# Altium PCB RPI Main Computer.PcbDoc (part 2 of 2)
Units mm, origin at the board's own origin, x right, y up, seen from the top; angles counter-clockwise.
Board outline 129 x 105 mm, 4 copper layers (F.Cu, In1.Cu, In2.Cu, B.Cu); 126 components, 153 nets, 663 pads, 209 vias.
Unrouted connection lines stored in the file: 267.
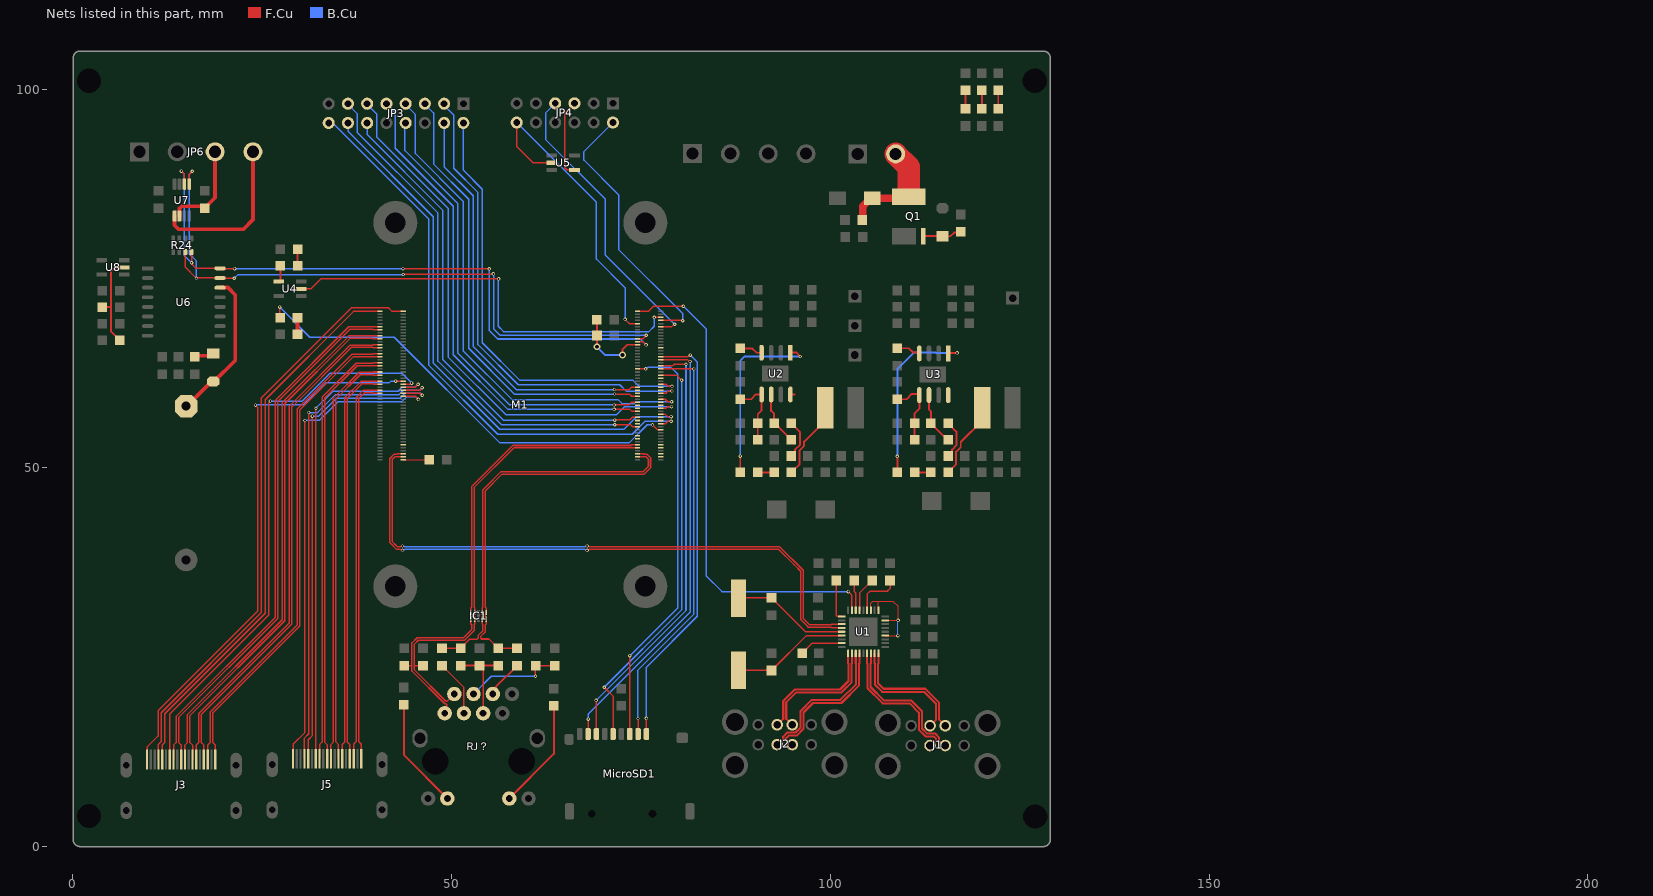
[diagram p4: the nets of this part, all layers, seen from the top]

## Via types
v1: diameter 0.45, hole 0.25, F.Cu to B.Cu, tented both sides, 147 vias
v2: diameter 0.45, hole 0.3, F.Cu to B.Cu, tented both sides, 52 vias
v3: diameter 0.9, hole 0.5, F.Cu to B.Cu, tented both sides, 10 vias

## Nets (pads, with @x,y where several pads share a name; then routed paths per layer and width w, separated by ;. In a path a pad name is that pad's centre, name@x,y a point inside that pad or via, vN(x,y) a via of type N, cw(c..) or ccw(c..) an arc to the next point about the centre after c; other vN are vias at no path point) (continued)
GPIO5: JP3.9 M1.34 | length 64.1
  F.Cu w0.2: v1(71.468,57.714) v1(71.468,57.714) 73.554,57.713 73.815,57.452 M1.34@74.56,57.452
  B.Cu w0.2: JP3.9@41.438,98.007 42.574,96.871 42.574,92.183 50.24,84.517 50.24,64.932 57.458,57.714 v1(71.468,57.714)
GPIO6: JP3.12 M1.30 | length 64.5
  F.Cu w0.2: v1(71.557,56.295) 71.58,56.318 73.539,56.318 73.872,56.652 M1.30@74.56,56.652
  B.Cu w0.2: JP3.12@38.872,95.524 38.872,93.982 48.821,84.033 48.821,64.344 56.87,56.295 v1(71.557,56.295)
GPIO7: M1.37
GPIO8: M1.39
GPIO9: JP3.8 M1.40 | length 60
  F.Cu w0.2: v1(71.469,58.299) 73.426,58.299 73.779,58.652 M1.40@74.56,58.652
  B.Cu w0.2: JP3.8@43.856,95.567 43.856,91.872 50.825,84.903 50.825,65.174 57.7,58.299 v1(71.469,58.299)
GPIO10: JP3.5 M1.44 | length 59.5
  F.Cu w0.2: v1(71.517,59.747) 71.518,59.746 73.505,59.746 73.799,59.452 M1.44@74.56,59.452
  B.Cu w0.2: JP3.5@46.482,98.007 47.642,96.847 47.642,90.093 52.273,85.462 52.273,65.774 58.3,59.747 v1(71.517,59.747)
GPIO11: M1.38
GPIO12: JP3.14 M1.31 | length 73.6
  F.Cu w0.2: M1.31@77.64,57.052 78.246,57.052 78.527,56.771 v1(78.999,56.771)
  B.Cu w0.2: JP3.14@36.395,95.61 36.395,94.373 47.61,83.158 47.61,63.843 56.369,55.084 72.776,55.084 74.463,56.771 v1(78.999,56.771)
GPIO13: M1.28
GPIO14: M1.55
GPIO15: JP3.2 M1.51 | length 59
  F.Cu w0.2: M1.51@77.64,61.052 78.32,61.052 78.61,60.762 v1(79.107,60.762)
  B.Cu w0.2: JP3.2@51.572,95.524 51.572,89.273 54.071,86.774 54.071,66.519 59.045,61.545 73.97,61.545 74.753,60.762 v1(79.107,60.762)
GPIO16: M1.29
GPIO17: JP3.4 M1.50 | length 55.3
  F.Cu w0.2: v1(71.503,60.337) 71.53,60.31 73.423,60.31 73.765,60.652 M1.50@74.56,60.652
  B.Cu w0.2: JP3.4@49.032,95.524 49.032,89.754 52.863,85.923 52.863,66.018 58.544,60.337 v1(71.503,60.337)
GPIO18: M1.49
GPIO19: M1.26
GPIO20: M1.27
GPIO21: JP3.16 M1.25 | length 75.7
  F.Cu w0.2: M1.25@77.64,55.852 78.29,55.852 78.592,56.153 v1(78.993,56.153)
  B.Cu w0.2: JP3.16@33.792,95.524 34.06,95.256 34.603,95.256 46.976,82.883 46.976,63.58 56.106,54.45 73.856,54.45 75.559,56.153 v1(78.993,56.153)
GPIO22: M1.46
GPIO23: M1.47
GPIO24: JP3.3 M1.45 | length 63.5
  F.Cu w0.2: M1.45@77.64,59.852 78.304,59.852 78.595,60.143 v1(79.086,60.143)
  B.Cu w0.2: JP3.3@48.764,98.1 50.301,96.563 50.301,89.534 53.498,86.337 53.498,66.282 58.808,60.972 72.213,60.972 73.042,60.143 v1(79.086,60.143)
GPIO25: JP3.7 M1.41 | length 67.6
  F.Cu w0.2: M1.41@77.64,59.052 78.224,59.052 78.555,58.721 v1(79.055,58.721)
  B.Cu w0.2: JP3.7@44.001,97.902 45.25,96.653 45.25,91.475 51.536,85.189 51.536,65.469 57.995,59.01 71.964,59.01 72.492,58.482 74.096,58.482 74.335,58.721 v1(79.055,58.721)
GPIO26: JP3.13 M1.24 | length 68.9
  F.Cu w0.2: v1(71.557,55.69) 71.576,55.709 73.614,55.709 73.871,55.452 M1.24@74.56,55.452
  B.Cu w0.2: JP3.13@36.228,98.09 37.55,96.768 37.55,94.29 48.216,83.624 48.216,64.094 56.62,55.69 v1(71.557,55.69)
GPIO27: M1.48
GPIO_VREF: M1.78 R11.1 R12.1 | length 10.7
  F.Cu w0.254: R12.1@69.186,69.537 69.209,69.514 R11.1@69.209,67.468 ; v3(69.2,65.979) 69.2,67.464 R11.1@69.204,67.468 ; v3(72.567,64.882) 72.567,65.587 73.232,66.252 M1.78@74.56,66.252 M1.78@74.879,66.252
  B.Cu w0.254: v3(69.2,65.979) 70.297,64.882 v3(72.567,64.882)
HDMI0_CEC: J3.13 M1.151 | length 74.7
  F.Cu w0.2: J3.13@12.821,11.509 12.821,17.493 25.889,30.561 25.889,58.548 26.094,58.753 v1(26.094,58.821) ; M1.151@43.64,61.052 44.537,61.052 44.678,61.193 v1(44.746,61.193)
  B.Cu w0.2: v1(26.094,58.821) 30.293,58.821 33.956,62.484 43.455,62.484 v1(44.746,61.193)
HDMI0_CK_N: J3.12 M1.190 | length 70.7
  F.Cu w0.2: J3.12@13.321,11.509 13.321,13.402 13.658,13.739 13.658,17.181 26.74,30.263 26.74,58.898 36.457,68.615 39.581,68.615 ; 39.666,68.652 M1.190@40.56,68.652
HDMI0_CK_P: J3.10 M1.188 | length 70.2
  F.Cu w0.2: J3.10@14.321,11.509 14.321,13.402 13.985,13.739 13.985,17.046 27.067,30.128 27.067,58.763 36.592,68.288 39.581,68.288 ; 39.666,68.252 M1.188@40.56,68.252
HDMI0_D0_N: J3.9 M1.184 | length 69
  F.Cu w0.2: J3.9@14.821,11.509 14.821,13.402 15.157,13.739 15.157,17.436 27.668,29.946 27.668,58.608 36.475,67.415 39.629,67.415 39.666,67.452 M1.184@40.56,67.452
HDMI0_D0_P: J3.7 M1.182 | length 68.4
  F.Cu w0.2: J3.7@15.821,11.509 15.821,13.402 15.484,13.739 15.484,17.301 27.995,29.811 27.995,58.473 36.61,67.088 39.629,67.088 39.666,67.052 M1.182@40.56,67.052
HDMI0_D1_N: J3.6 M1.178 | length 67.1
  F.Cu w0.2: J3.6@16.321,11.509 16.321,13.402 16.658,13.739 16.658,17.592 28.614,29.548 28.614,58.179 36.65,66.215 39.629,66.215 39.666,66.252 M1.178@40.56,66.252
HDMI0_D1_P: J3.4 M1.176 | length 66.5
  F.Cu w0.2: J3.4@17.321,11.509 17.321,13.402 16.985,13.739 16.985,17.457 28.941,29.413 28.941,58.044 36.785,65.888 39.629,65.888 39.666,65.852 M1.176@40.56,65.852
HDMI0_D2_N: J3.3 M1.172 | length 65.1
  F.Cu w0.2: J3.3@17.821,11.509 17.821,13.402 18.158,13.739 18.158,17.772 29.658,29.272 29.658,57.755 36.918,65.015 39.629,65.015 39.666,65.052 M1.172@40.56,65.052
HDMI0_D2_P: J3.1 M1.170 | length 64.5
  F.Cu w0.2: J3.1@18.821,11.509 18.821,13.402 18.485,13.739 18.485,17.636 29.985,29.137 29.985,57.62 37.053,64.688 39.629,64.688 39.666,64.652 M1.170@40.56,64.652
HDMI0_HOTPLUG: J3.19 M1.153 | length 73.7
  F.Cu w0.2: J3.19@9.821,11.509 9.821,13.152 11.269,14.6 11.269,17.935 24.41,31.076 24.41,57.971 24.132,58.249 v1(24.132,58.276) ; v1@42.528,61.453 42.529,61.452 M1.153@43.64,61.452
  B.Cu w0.2: v1(24.132,58.276) 24.178,58.322 30.495,58.322 33.422,61.249 41.812,61.249 42.016,61.453 v1@42.528,61.453
  other v1: 42.642,61.453
HDMI0_SCL: J3.15 M1.200 | length 73.1
  F.Cu w0.2: J3.15@11.821,11.509 11.821,13.415 12.163,13.757 12.163,17.55 25.409,30.796 25.409,58.997 37.064,70.652 M1.200@40.56,70.652
HDMI0_SDA: J3.16 M1.199 | length 77.2
  F.Cu w0.2: J3.16@11.321,11.509 11.321,13.516 11.682,13.877 11.682,17.689 24.898,30.905 24.898,59.214 36.843,71.159 41.647,71.159 42.154,70.652 M1.199@43.64,70.652
HDMI1_CEC: J5.13 M1.149 | length 63.2
  F.Cu w0.2: J5.13@32.089,11.586 32.105,11.602 32.105,57.848 v1(32.12,57.864) ; M1.149@43.64,60.652 45.212,60.652 v1(45.596,61.036)
  B.Cu w0.2: v1(32.12,57.864) 32.12,57.889 34.356,60.125 42.968,60.125 43.51,60.667 45.227,60.667 v1(45.596,61.036)
HDMI1_CK_N: J5.12 M1.166 | length 57.4
  F.Cu w0.2: J5.12@32.589,11.586 32.589,13.479 32.925,13.816 32.925,59.311 37.43,63.815 39.629,63.815 39.666,63.852 M1.166@40.56,63.852
HDMI1_CK_P: J5.10 M1.164 | length 56.8
  F.Cu w0.2: J5.10@33.589,11.586 33.589,13.469 33.252,13.805 33.252,59.175 37.565,63.488 39.629,63.488 39.666,63.452 M1.164@40.56,63.452
HDMI1_D0_N: J5.9 M1.160 | length 55.3
  F.Cu w0.2: J5.9@34.089,11.586 34.089,13.471 34.425,13.808 34.425,59.206 37.835,62.615 39.629,62.615 39.666,62.652 M1.160@40.56,62.652
HDMI1_D0_P: J5.7 M1.158 | length 54.8
  F.Cu w0.2: J5.7@35.089,11.586 35.089,13.486 34.752,13.822 34.752,59.07 37.97,62.288 39.629,62.288 39.666,62.252 M1.158@40.56,62.252
HDMI1_D1_N: J5.6 M1.154 | length 53.4
  F.Cu w0.2: J5.6@35.589,11.586 35.589,13.484 35.926,13.82 35.926,59.287 36.021,59.383 38.054,61.415 39.629,61.415 39.666,61.452 M1.154@40.56,61.452
HDMI1_D1_P: J5.4 M1.152 | length 52.8
  F.Cu w0.2: J5.4@36.589,11.586 36.589,13.494 36.253,13.83 36.253,59.152 38.189,61.088 39.629,61.088 39.666,61.052 M1.152@40.56,61.052
HDMI1_D2_N: J5.3 M1.148 | length 51.4
  F.Cu w0.2: J5.3@37.089,11.586 37.089,13.546 37.425,13.883 37.425,59.3 38.341,60.215 39.629,60.215 39.666,60.252 M1.148@40.56,60.252
HDMI1_D2_P: J5.1 M1.146 | length 50.8
  F.Cu w0.2: J5.1@38.089,11.586 38.089,13.533 37.752,13.87 37.752,59.164 38.476,59.888 39.629,59.888 39.666,59.852 M1.146@40.56,59.852
HDMI1_HOTPLUG: J5.19 M1.143 | length 63.9
  F.Cu w0.2: J5.19@29.089,11.586 29.089,13.51 30.659,15.08 v1(30.659,56.248) ; M1.143@43.64,59.452 45.227,59.452 v1(45.639,59.04)
  B.Cu w0.2: v1(30.659,56.248) 30.701,56.29 32.595,56.29 35.047,58.742 43.454,58.742 44.125,59.413 45.266,59.413 v1(45.639,59.04)
HDMI1_SCL: J5.15 M1.145 | length 64
  F.Cu w0.2: J5.15@31.089,11.586 31.096,11.593 31.096,14.116 31.64,14.66 31.64,56.819 v1(31.638,56.821) ; M1.145@43.64,59.852 45.816,59.852 46.087,59.58 v1(46.155,59.58)
  B.Cu w0.2: v1(31.638,56.821) 32.441,56.821 34.813,59.193 43.233,59.193 43.881,59.841 45.894,59.841 v1(46.155,59.58)
HDMI1_SDA: J5.16 M1.147 | length 64.9
  F.Cu w0.2: J5.16@30.589,11.586 30.585,11.59 30.585,14.338 31.155,14.908 v1(31.155,57.302) ; M1.147@43.64,60.252 45.818,60.252 v1(46.137,60.571)
  B.Cu w0.2: v1(31.155,57.302) 32.322,57.302 34.7,59.68 43.09,59.68 43.644,60.234 45.8,60.234 v1(46.137,60.571)
ID_SC: JP3.11 M1.35 | length 72.6
  F.Cu w0.2: M1.35@77.64,57.852 78.32,57.852 78.56,58.092 v1(79.049,58.092)
  B.Cu w0.2: JP3.11@38.729,98.132 40.138,96.723 40.138,93.688 49.558,84.268 49.558,64.649 57.176,57.032 71.814,57.032 72.874,58.092 v1(79.049,58.092)
ID_SD: M1.36
NetBattery1_1: Battery1.1 D1.2 U6.14 | length 20
  F.Cu w0.5: Battery1.1@14.986,58.149 15.08,58.149 18.322,61.391 D1.2@18.542,61.391 18.667,61.391 21.457,64.181 21.457,72.833 20.503,73.787 U6.14@19.456,73.787
NetC1_1: C1.1 JP1.2 Q1.5-8 RU1.2 | length 13.8
  F.Cu w1: C1.1@104.267,82.677 104.267,84.539 RU1.2@105.419,85.692 ; RU1.2@105.551,85.598 110.27,85.598 Q1.5-8@110.363,85.691
  F.Cu w3: JP1.2@108.627,91.44 110.345,89.722 Q1.5-8@110.345,86.683
NetC11_1: C11.1 U1.32 X1.2 | length 15.5
  F.Cu w0.2: X1.2@87.885,32.788 87.948,32.851 C11.1@92.244,32.851 96.727,28.368 U1.32@101.491,28.368
NetC12_1: C12.1 U1.33 X1.1 | length 15.2
  F.Cu w0.2: X1.1@88.375,23.311 88.43,23.256 C12.1@92.476,23.256 ; C12.1@92.476,23.263 92.476,23.484 96.86,27.868 U1.33@101.491,27.868
NetC13_1: C13.1 U2.1 | length 24.4
  F.Cu w0.254: v1(88.122,51.545) 88.122,49.419 C13.1@88.138,49.403 ; U2.1@94.742,65.19 94.799,65.247 95.478,65.247 v1(96.032,64.693)
  B.Cu w0.254: v1(88.122,51.545) 88.122,64.167 88.648,64.693 v1(96.032,64.693)
NetC13_2: C13.2 R8.2 | length 2.2
  F.Cu w0.254: C13.2@90.424,49.403 R8.2@92.583,49.403
NetC19_2: C19.2 R10.1 R14.2 U2.5 | length 9.2
  F.Cu w0.254: R14.2@88.138,59.055 89.538,59.055 90.173,59.69 U2.5@90.932,59.69 90.932,57.594 90.424,57.086 C19.2@90.424,55.88 R10.1@90.424,53.721
NetC26_1: C26.1 U2.4 | length 3
  F.Cu w0.254: C26.1@88.138,65.786 88.179,65.745 89.715,65.745 90.27,65.19 U2.4@90.932,65.19
NetC27_1: C27.1 R13.2 U2.6 | length 7.2
  F.Cu w0.254: U2.6@92.202,59.69 92.202,57.517 92.594,57.125 92.594,55.891 R13.2@92.583,55.88 93.091,55.372 93.218,55.372 C27.1@94.869,53.721
NetC28_1: C28.1 R13.1 | length 5.3
  F.Cu w0.254: C28.1@94.869,51.562 95.343,52.036 95.343,52.39 96.031,53.078 96.031,54.718 R13.1@94.869,55.88
NetC31_1: C31.1 U3.1 | length 23.7
  F.Cu w0.254: C31.1@108.839,49.403 108.846,49.41 v1(108.846,51.508) ; U3.1@115.57,65.107 115.644,65.181 v1(116.733,65.181)
  B.Cu w0.254: v1(108.846,51.508) 108.846,63.02 111.078,65.252 113.857,65.252 113.928,65.181 v1(116.733,65.181)
NetC31_2: C31.2 R16.2 | length 2.4
  F.Cu w0.254: C31.2@110.889,49.403 R16.2@113.284,49.403
NetC37_2: C37.2 R19.1 R23.2 U3.5 | length 9.4
  F.Cu w0.254: R23.2@108.839,59.055 110.082,59.055 110.785,59.758 111.609,59.758 U3.5@111.76,59.607 111.76,57.829 111.125,57.194 C37.2@111.125,55.88 R19.1@111.125,53.721
NetC44_1: C44.1 U3.4 | length 3.2
  F.Cu w0.254: C44.1@108.839,65.786 110.362,65.786 110.922,65.226 111.641,65.226 U3.4@111.76,65.107
NetC45_1: C45.1 R22.2 U3.6 | length 7
  F.Cu w0.254: U3.6@113.03,59.607 113.006,59.583 113.006,57.742 113.284,57.464 R22.2@113.284,55.88 114.935,54.229 115.062,54.229 C45.1@115.57,53.721
NetC46_1: C46.1 R22.1 | length 5.2
  F.Cu w0.254: C46.1@115.57,51.562 116.078,52.07 116.078,52.422 116.66,53.004 116.66,54.79 R22.1@115.57,55.88
NetC51_1: C51.1 R28.2 U8.2 | length 12.7
  F.Cu w0.254: C51.1@3.908,71.204 5.051,71.204 ; R28.2@6.218,66.852 5.051,68.019 5.051,71.204 ; U8.2@6.834,76.454 5.651,76.454 5.051,75.854 5.051,71.204
NetD1_1: D1.1 R25.2 | length 2.6
  F.Cu w0.5: R25.2@16.129,64.643 16.285,64.799 18.24,64.799 D1.1@18.542,65.101
NetH1_P: 
NetJP4_5: JP4.5 U5.4 | length 10.3
  F.Cu w0.2: U5.4@66.159,89.334 65.226,89.334 64.961,89.599 64.961,96.845 JP4.5@66.231,98.115
NetJP6_3: JP6.3 R26.1 U7.6 | length 12.5
  F.Cu w0.5: U7.6@14.104,83.252 14.104,84.238 14.397,84.531 17.182,84.531 R26.1@17.431,84.282 18.799,85.65 JP6.3@18.799,91.717
NetJP6_4: JP6.4 U7.5 | length 21.3
  F.Cu w0.5: U7.5@13.449,83.247 13.449,82.017 13.961,81.505 22.539,81.505 23.799,82.765 JP6.4@23.799,91.717
NetL1_1: L1.1 R8.1 U2.8 | length 9
  F.Cu w0.254: U2.8@94.742,59.69 95.31,59.69 ; R8.1@94.869,49.403 95.957,50.491 95.957,52.314 96.549,52.906 96.549,53.465 L1.1@99.124,56.04
NetL2_1: L2.1 R16.1 U3.8 | length 10.4
  F.Cu w0.254: R16.1@115.57,49.403 116.622,50.455 116.622,52.151 117.223,52.752 117.223,53.413 120.047,56.237 L2.1@120.047,57.912
NetLED2_2: LED2.2 R3.1 | length 2.4
  F.Cu w0.254: R3.1@117.856,97.409 LED2.2@117.856,99.822
NetLED7_2: BOOT.2 R6.1 | length 2.1
  F.Cu w0.5: BOOT.2@29.677,67.708 R6.1@29.677,69.797
NetLED8_2: LED8.2 R9.1 | length 2.4
  F.Cu w0.254: R9.1@120.015,97.409 LED8.2@120.015,99.822
NetLED9_2: LED9.2 R17.1 | length 2.4
  F.Cu w0.254: R17.1@122.174,97.409 LED9.2@122.174,99.822
NetLED10_2: PWR.2 R18.1 | length 2.1
  F.Cu w0.254: R18.1@29.694,76.677 PWR.2@29.694,78.762
NetM1_21: M1.21 R6.2 | length 60.4
  F.Cu w0.2: v1(27.331,71.22) 27.331,69.878 R6.2@27.391,69.818 ; v1(76.538,55.678) 77.164,55.052 M1.21@77.64,55.052
  B.Cu w0.2: v1(27.331,71.22) 31.302,67.249 42.442,67.249 56.405,53.286 73.44,53.286 75.832,55.678 v1(76.538,55.678)
NetQ1_4: Q1.4 R4.2 Z1.1 | length 5.2
  F.Cu w0.254: Q1.4@112.268,80.585 114.791,80.585 Z1.1@114.808,80.568 115.863,80.568 116.354,81.059 117.127,81.059 R4.2@117.221,81.153
NetR2_2: R2.2 U1.24 | length 4.6
  F.Cu w0.2: U1.24@103.861,31.238 103.861,33.469 R2.2@105.522,35.129
NetR5_2: R5.2 U1.22 | length 6.5
  F.Cu w0.2: U1.22@104.861,31.238 104.861,33.355 105.225,33.719 107.527,33.719 107.885,34.077 R5.2@107.885,35.129
NetR7_2: R7.2 U1.35 | length 5.7
  F.Cu w0.2: R7.2@96.301,25.544 97.625,26.868 U1.35@101.491,26.868
NetR18_2: R18.2 U4.4 | length 2.2
  F.Cu w0.254: U4.4@27.252,74.577 27.258,74.577 27.408,74.727 R18.2@27.408,76.677
NetR20_2: R20.2 U1.28 | length 5.4
  F.Cu w0.2: R20.2@100.795,35.129 100.795,30.52 100.912,30.403 101.456,30.403 U1.28@101.491,30.368
NetR21_2: R21.2 U1.25 | length 4
  F.Cu w0.2: R21.2@103.158,35.129 103.158,33.68 103.373,33.465 103.373,31.25 U1.25@103.361,31.238
NetR30_1: R30.1 RJ？.10 | length 14.7
  F.Cu w0.254: R30.1@43.716,18.717 43.716,12.105 RJ？.10@49.463,6.358
NetR31_1: R31.1 RJ？.11 | length 14.7
  F.Cu w0.254: RJ？.11@57.633,6.358 63.517,12.242 R31.1@63.517,18.58
nEXTRST: M1.100 U1.26 | length 65.4
  F.Cu w0.2: M1.100@74.56,70.652 75.982,70.652 76.658,71.328 v1(80.614,71.328) ; v1(102.387,33.669) 102.861,33.195 U1.26@102.861,31.238
  B.Cu w0.2: v1(80.614,71.328) 83.628,68.314 83.628,35.739 85.698,33.669 v1(102.387,33.669)
nOCSS1: U1.13 U1.17 U1.19 U1.21 | length 13.3
  F.Cu w0.127: U1.21@105.361,31.238 105.361,32.12 105.626,32.385 106.45,32.385 ; U1.19@106.361,31.238 106.361,32.296 106.45,32.385 ; U1.13@107.231,27.868 107.241,27.858 108.915,27.858 v1(108.925,27.848) ; U1.17@107.231,29.868 108.946,29.868 v1(108.948,29.866) 108.948,31.714 108.277,32.385 106.45,32.385
  B.Cu w0.127: v1(108.925,27.848) 108.936,27.859 108.936,29.854 v1(108.948,29.866)
nPWR_LED: M1.95 U4.2 | length 56.1
  F.Cu w0.2: U4.2@30.178,73.629 31.456,73.629 32.774,74.947 v1(56.22,74.947) ; v1(76.76,69.865) 76.773,69.852 M1.95@77.64,69.852
  B.Cu w0.2: v1(56.22,74.947) 56.174,74.901 56.174,68.687 56.868,67.993 76.06,67.993 76.76,68.693 v1(76.76,69.865)
nRPIBOOT: JP4.2 M1.93 | length 36
  F.Cu w0.2: M1.93@77.64,69.452 80.494,69.452 v1(80.528,69.418)
  B.Cu w0.2: JP4.2@71.311,95.575 67.488,91.752 67.488,90.626 72.057,86.057 72.057,78.838 80.528,70.367 v1(80.528,69.418)
RCT: C52.1 R29.1 R35.2 RJ？.5 | length 11.4
  F.Cu w0.2: C52.1@53.7,23.904 54.183,23.421 RJ？.5@54.183,17.608
  F.Cu w0.254: R29.1@51.208,23.904 C52.1@53.7,23.904 R35.2@56.159,23.904
RUN_PG: JP4.12 M1.92 U5.2 | length 42.7
  F.Cu w0.2: JP4.12@58.611,95.575 58.611,92.423 60.758,90.276 U5.2@63.522,90.276 ; v1(72.923,69.598) 73.469,69.052 M1.92@74.56,69.052
  B.Cu w0.2: JP4.12@58.611,95.575 69.137,85.049 69.137,77.561 72.923,73.775 72.923,70.416 72.921,70.414 72.921,70.046 72.923,70.044 v1(72.923,69.598)
RXNNET: C53.2 RJ？.6 | length 5.1
  F.Cu w0.254: RJ？.6@55.453,20.148 55.453,20.595 55.865,21.006 55.865,21.114 C53.2@58.655,23.904
RXPNET: C30.2 RJ？.3 | length 7.5
  F.Cu w0.2: C30.2@48.746,23.904 51.643,21.007 RJ？.3@51.643,17.608
SCL0: M1.80 R24.4 U6.16 U7.2 | length 86.4
  F.Cu w0.2: v1(14.355,89.159) 14.749,88.765 U7.2@14.749,87.457 ; R24.4@15.519,78.459 15.71,78.268 v1@15.71,77.069 ; v1@15.71,76.902 16.285,76.327 U6.16@19.456,76.327 19.475,76.308 v1(21.378,76.308) ; v1(43.601,76.289) 43.617,76.272 54.967,76.272 v1(54.984,76.256) ; M1.80@74.56,66.652 75.275,66.652 v1(75.688,66.239)
  B.Cu w0.2: v1(14.355,89.159) 14.737,88.777 14.737,78.029 v1(15.697,77.069) ; v1(21.378,76.308) 21.388,76.298 43.592,76.298 v1(43.601,76.289) ; v1(54.984,76.256) 54.984,68.123 56.099,67.008 74.919,67.008 v1(75.688,66.239)
SD_CLK: M1.57 MicroSD1.5 | length 54.5
  F.Cu w0.2: v1(70.163,21.047) 71.339,19.871 71.339,14.876 MicroSD1.5@71.334,14.871 ; M1.57@77.64,62.252 79.686,62.252 v1(80.381,61.557)
  B.Cu w0.2: v1(70.163,21.047) 80.413,31.297 80.413,61.525 v1(80.381,61.557)
SD_CMD: M1.62 MicroSD1.3 | length 55.9
  F.Cu w0.2: v1(73.526,25.211) 73.53,25.207 73.53,14.875 MicroSD1.3@73.534,14.871 ; M1.62@74.56,63.052 75.633,63.052 v1(75.641,63.06)
  B.Cu w0.2: v1(73.526,25.211) 73.572,25.211 79.883,31.522 79.883,62.346 78.974,63.255 75.883,63.255 75.688,63.06 v1(75.641,63.06)
SD_DATA0: M1.63 MicroSD1.7 | length 57.2
  F.Cu w0.2: v1(69.085,19.306) 69.109,19.282 69.109,14.895 MicroSD1.7@69.134,14.871 ; M1.63@77.64,63.452 79.174,63.452 79.403,63.681 80.949,63.681 v1(80.956,63.674)
  B.Cu w0.2: v1(69.085,19.306) 80.956,31.177 v1(80.956,63.674)
SD_DATA1: M1.67 MicroSD1.8 | length 58.7
  F.Cu w0.2: MicroSD1.8@68.034,14.871 68.041,14.879 68.041,16.819 v1(68.049,16.827) ; M1.67@77.64,64.252 81.211,64.252 81.426,64.036 v1(81.494,64.036)
  B.Cu w0.2: v1(68.049,16.827) 68.049,17.503 81.494,30.948 v1(81.494,64.036)
SD_DATA2: M1.69 MicroSD1.1 | length 57.2
  F.Cu w0.2: MicroSD1.1@75.734,14.872 v1(75.733,16.935) ; M1.69@77.64,64.652 81.217,64.652 81.453,64.888 v1(81.521,64.888)
  B.Cu w0.2: v1(75.733,16.935) 75.733,23.687 82.451,30.405 82.451,63.958 v1(81.521,64.888)
SD_DATA3: M1.61 MicroSD1.2 | length 55.6
  F.Cu w0.2: v1(74.616,16.915) 74.625,16.906 74.625,14.88 MicroSD1.2@74.634,14.871 ; M1.61@77.64,63.052 79.652,63.052 79.654,63.05 80.6,63.05 80.604,63.054 81.997,63.054 v1(82.006,63.045)
  B.Cu w0.2: v1(74.616,16.915) 74.616,23.317 82.006,30.707 v1(82.006,63.045)
SD_PWR_ON: M1.75
SDA0: M1.82 R24.3 U6.15 U7.1 | length 88.6
  F.Cu w0.2: R24.3@14.878,78.475 14.878,76.467 v1@16.281,75.064 ; U7.1@15.399,87.457 15.399,88.755 v1(15.789,89.145) ; v1@16.342,75.064 U6.15@19.026,75.064 ; U6.15@19.456,75.057 21.299,75.057 v1(21.331,75.025) ; v1(43.633,75.52) 43.672,75.559 55.49,75.559 v1(55.529,75.598) ; M1.82@74.56,67.052 75.267,67.052 v1(75.713,67.498)
  B.Cu w0.2: v1(15.789,89.145) 15.382,88.738 15.382,78.252 16.342,77.292 v1(16.342,75.017) ; v1(21.331,75.025) 21.826,75.52 v1@43.622,75.52 ; v1(55.529,75.598) 55.557,75.57 55.557,68.353 56.412,67.498 v1(75.713,67.498)
SHIELD: 
SYNC_IN: M1.16
SYNC_OUT: M1.18
TCT: C54.1 R34.2 RJ？.4 | length 13.1
  F.Cu w0.2: v1(61.091,22.488) 61.091,23.881 R34.2@61.114,23.904 C54.1@63.609,23.904
  B.Cu w0.2: RJ？.4@52.913,20.148 55.253,22.488 v1(61.091,22.488)
TRD0_N: IC1.2 IC1.9 M1.10 R33.2 RJ？.2 | length 63.5
  F.Cu w0.2: R33.2@46.251,23.904 45.134,23.904 45.114,23.924 ; RJ？.2@50.373,20.148 49.413,19.187 49.247,19.187 45.114,23.32 45.114,23.924 ; M1.10@74.56,52.652 73.752,52.652 73.715,52.688 58.281,52.688 52.988,47.395 52.988,31.602 53.073,31.517 IC1.9@53.073,30.887 53.073,30.649 52.986,30.649 52.986,30.249 53.073,30.249 IC1.2@53.073,30.012 53.073,29.381 52.996,29.304 52.996,28.515 51.724,27.244 45.61,27.244 45.114,26.748 45.114,23.924
TRD0_P: IC1.1 IC1.10 M1.12 R32.1 RJ？.1 | length 64.3
  F.Cu w0.2: R32.1@43.776,23.904 44.767,23.904 44.787,23.924 ; RJ？.1@49.103,17.608 49.393,17.898 49.393,18.743 49.276,18.86 49.112,18.86 44.787,23.185 44.787,23.924 ; M1.12@74.56,53.052 73.752,53.052 73.715,53.015 58.146,53.015 52.897,47.767 52.661,47.53 52.661,31.605 52.573,31.517 IC1.10@52.573,30.887 52.573,30.649 52.659,30.649 52.659,30.249 52.573,30.249 IC1.1@52.573,30.012 52.573,29.381 52.669,29.285 52.669,28.651 51.589,27.571 45.475,27.571 44.787,26.883 44.787,23.924
TRD1_N: C53.1 IC1.5 IC1.6 M1.6 R35.1 | length 51.7
  F.Cu w0.2: C53.1@58.655,26.19 R35.1@56.159,26.19 54.94,27.41 53.964,27.41 53.847,27.527 53.847,27.73 54.487,28.369 54.487,29.295 54.573,29.381 IC1.5@54.573,30.012 54.573,30.249 54.487,30.249 54.487,30.649 54.573,30.649 IC1.6@54.573,30.887 54.573,31.517 54.487,31.603 54.487,46.983 56.682,49.178 75.44,49.178 76.335,50.073 76.335,51.282 76.239,51.378 75.817,51.8 75.42,51.8 75.369,51.852 M1.6@74.56,51.852
TRD1_P: C30.1 IC1.4 IC1.7 M1.4 R29.2 | length 51.1
  F.Cu w0.2: C30.1@48.746,26.19 R29.2@51.208,26.19 52.41,27.393 53.403,27.393 53.52,27.51 53.52,27.865 54.16,28.505 54.16,29.295 54.073,29.381 IC1.4@54.073,30.012 54.073,30.249 54.16,30.249 54.16,30.649 54.073,30.649 IC1.7@54.073,30.887 54.073,31.517 54.16,31.603 54.16,47.118 54.396,47.355 56.547,49.505 75.305,49.505 76.008,50.208 76.008,51.147 75.682,51.473 75.39,51.473 75.369,51.452 M1.4@74.56,51.452
TRD2_N: M1.9
TRD2_P: M1.11
TRD3_N: M1.5
TRD3_P: M1.3
TV_OUT: M1.111
USB1_D_N: J2.2 U1.1 | length 16.8
  F.Cu w0.278: J2.2@92.992,16.088 93.789,16.885 93.789,17.375 93.789,19.236 95.298,20.744 101.278,20.744 102.408,21.875 102.408,24.145 102.361,24.192 U1.1@102.361,25.498
USB1_D_P: J2.3 U1.2 | length 16.8
  F.Cu w0.278: J2.3@94.992,16.088 94.195,16.885 94.195,17.543 94.194,19.068 95.465,20.339 101.446,20.339 101.721,20.615 102.814,21.707 102.814,24.145 102.861,24.192 U1.2@102.861,25.498
USB2_D_N: J2.6 U1.3 | length 19.3
  F.Cu w0.278: J2.6@92.992,13.468 93.146,13.468 93.789,14.111 93.789,14.509 94.344,15.064 95.416,15.064 96.063,15.71 96.063,17.885 97.55,19.372 101.322,19.372 103.409,21.458 103.409,24.145 103.361,24.192 U1.3@103.361,25.498
USB2_D_P: J2.7 U1.4 | length 19.3
  F.Cu w0.278: J2.7@94.992,13.468 94.838,13.468 94.195,14.111 94.195,14.342 94.511,14.659 95.584,14.659 96.468,15.543 96.468,17.717 97.718,18.967 101.49,18.967 103.814,21.291 103.814,24.145 103.861,24.192 U1.4@103.861,25.498
USB2_N: M1.103 U1.30 | length 80
  F.Cu w0.2: 43.317,39.634 43.243,39.561 42.891,39.561 42.654,39.798 42.169,40.283 42.169,51.072 42.585,51.488 42.854,51.488 42.891,51.452 M1.103@43.64,51.452 ; v1(67.896,39.682) 67.944,39.634 68.116,39.634 68.19,39.561 93.342,39.561 96.427,36.475 96.427,30.103 97.24,29.291 100.127,29.291 100.204,29.368 U1.30@101.491,29.368
  B.Cu w0.2: v1(43.537,39.682) 43.585,39.634 43.757,39.634 43.831,39.561 67.602,39.561 67.676,39.634 67.848,39.634 v1(67.896,39.682)
USB2_P: M1.105 U1.31 | length 81.1
  F.Cu w0.2: 43.317,39.16 43.243,39.234 42.756,39.234 41.842,40.148 41.842,51.207 42.45,51.815 42.854,51.815 42.891,51.852 M1.105@43.64,51.852 ; v1(67.896,39.112) 67.944,39.16 68.116,39.16 68.19,39.234 93.207,39.234 95.212,37.228 96.1,36.34 96.1,29.968 96.949,29.119 97.104,28.964 100.108,28.964 100.204,28.868 U1.31@101.491,28.868
  B.Cu w0.2: v1(43.537,39.112) 43.585,39.16 43.757,39.16 43.831,39.234 67.602,39.234 67.676,39.16 67.848,39.16 v1(67.896,39.112)
USB3_D_N: J1.6 U1.6 | length 19.1
  F.Cu w0.278: U1.6@104.861,25.498 104.861,24.192 104.908,24.145 104.908,20.91 106.908,18.91 110.487,18.91 111.698,17.7 111.698,15.427 112.581,14.544 113.654,14.544 113.971,14.227 113.971,13.996 113.327,13.353 J1.6@113.173,13.353
USB3_D_P: J1.7 U1.7 | length 19.1
  F.Cu w0.278: U1.7@105.361,25.498 105.361,24.192 105.314,24.145 105.314,21.078 107.076,19.315 110.655,19.315 112.103,17.867 112.103,15.595 112.749,14.949 113.821,14.949 114.376,14.394 114.376,13.996 115.019,13.353 J1.7@115.173,13.353
USB4_D_N: J1.2 U1.8 | length 16.4
  F.Cu w0.278: U1.8@105.861,25.498 105.861,24.192 105.909,24.145 105.909,21.375 106.85,20.433 112.364,20.433 113.971,18.827 113.971,16.77 J1.2@113.173,15.973
USB4_D_P: J1.3 U1.9 | length 16.4
  F.Cu w0.278: U1.9@106.361,25.498 106.361,24.192 106.314,24.145 106.314,21.542 107.018,20.838 112.532,20.838 114.376,18.994 114.376,16.77 J1.3@115.173,15.973
USBOTG_ID: M1.101 R1.1 | length 3.5
  F.Cu w0.15: M1.101@43.64,51.052 47.139,51.052 R1.1@47.162,51.029
VCC-3V3A: 
WL_nDis: JP4.7 M1.89 | length 38.7
  F.Cu w0.2: M1.89@77.64,68.652 79.097,68.652 79.401,68.956 v1(79.469,68.956)
  B.Cu w0.2: JP4.7@63.691,98.115 62.477,96.901 62.477,93.29 70.285,85.482 70.285,78.104 79.433,68.956 v1(79.469,68.956)
pads on no net: J3.14 J5.14 M1.19 M1.64 M1.68 M1.70 M1.72 M1.73 M1.76 M1.97 M1.102 M1.104 M1.106 M1.109 M1.110 M1.112 M1.115 M1.116 M1.117 M1.118 M1.121 M1.122 M1.123 M1.124 M1.127 M1.128 M1.129 M1.130 M1.133 M1.134 M1.135 M1.136 M1.139 M1.140 M1.141 M1.142 M1.157 M1.159 M1.163 M1.165 M1.169 M1.171 M1.175 M1.177 M1.181 M1.183 M1.187 M1.189 M1.193 M1.194 M1.195 M1.196 M1.S1 M1.S2 M1.S3 M1.S4 MicroSD1.0 MicroSD1.9 RJ？.7 U1.11 U1.12 U1.14 U1.16 U1.18 U1.20 U1.34 U4.1 U5.1 U6.5 U6.6 U6.7 U6.8 U6.9 U6.10 U6.11 U6.12 U7.7 U7.8 U8.1

## Polygon pours and split planes (outlines as drawn)
GND on B.Cu "GND_L04_P001" (solid, remove dead copper, pour order 1): 0.051,1.017 ccw(c0.993,0.965) 0.888,0.028 0.851,0.017 128.051,0.017 ccw(c128.103,0.958) 129.04,0.853 129.051,0.817 129.051,104.017 ccw(c128.11,104.068) 128.215,105.005 128.151,105.017 1.051,105.017 ccw(c1,104.075) 0.063,104.18 0.051,104.217
GND on F.Cu "GND_L01_P000" (solid, remove dead copper, pour order 0): 0.051,1.017 ccw(c0.993,0.965) 0.888,0.028 0.851,0.017 128.051,0.017 ccw(c128.103,0.958) 129.04,0.853 129.051,0.817 129.051,104.017 ccw(c128.11,104.068) 128.215,105.005 128.151,105.017 1.051,105.017 ccw(c1,104.075) 0.063,104.18 0.051,104.217
GND on In2.Cu (split plane): 1.024,104.507 1.024,104.509 1.051,104.506 128.106,104.506 128.124,104.503 128.158,104.5 128.158,104.498 128.195,104.494 128.276,104.469 128.351,104.429 128.417,104.375 128.471,104.309 128.511,104.234 128.536,104.153 128.544,104.068 128.542,104.044 128.544,104.044 128.541,104.017 128.541,0.958 128.539,0.953 128.537,0.927 128.534,0.91 128.533,0.91 128.529,0.873 128.504,0.792 128.464,0.717 128.41,0.651 128.344,0.597 128.269,0.557 128.188,0.532 128.103,0.524 128.079,0.526 128.079,0.524 128.051,0.527 0.993,0.527 0.988,0.529 0.961,0.531 0.945,0.534 0.945,0.535 0.908,0.539 0.827,0.564 0.752,0.604 0.686,0.658 0.632,0.724 0.592,0.799 0.567,0.88 0.558,0.965 0.561,0.989 0.559,0.989 0.562,1.017 0.562,104.075 0.563,104.08 0.566,104.107 0.569,104.123 0.57,104.123 0.574,104.16 0.599,104.241 0.639,104.316 0.693,104.382 0.759,104.436 0.834,104.477 0.915,104.501 1,104.51
GND on In1.Cu (split plane): 1.024,104.507 1.024,104.509 1.051,104.506 128.106,104.506 128.124,104.503 128.158,104.5 128.158,104.498 128.195,104.494 128.276,104.469 128.351,104.429 128.417,104.375 128.471,104.309 128.511,104.234 128.536,104.153 128.544,104.068 128.542,104.044 128.544,104.044 128.541,104.017 128.541,0.958 128.539,0.953 128.537,0.927 128.534,0.91 128.533,0.91 128.529,0.873 128.504,0.792 128.464,0.717 128.41,0.651 128.344,0.597 128.269,0.557 128.188,0.532 128.103,0.524 128.079,0.526 128.079,0.524 128.051,0.527 0.993,0.527 0.988,0.529 0.961,0.531 0.945,0.534 0.945,0.535 0.908,0.539 0.827,0.564 0.752,0.604 0.686,0.658 0.632,0.724 0.592,0.799 0.567,0.88 0.558,0.965 0.561,0.989 0.559,0.989 0.562,1.017 0.562,104.075 0.563,104.08 0.566,104.107 0.569,104.123 0.57,104.123 0.574,104.16 0.599,104.241 0.639,104.316 0.693,104.382 0.759,104.436 0.834,104.477 0.915,104.501 1,104.51

## Keep-outs
Keep-Out Layer:
  lines w0.254: 0.051,104.217 0.051,1.017 ccw(c0.993,0.965) 0.888,0.028 ; 0.063,104.18 cw(c1,104.075) 1.051,105.017 128.151,105.017 ; 0.851,0.017 128.051,0.017 ccw(c128.103,0.958) 129.04,0.853 ; 128.215,105.005 cw(c128.11,104.068) 129.051,104.017 129.051,0.817

## Other copper
F.Cu:
  rectangle net 5V: 98.317,47.616 98.99,48.202
  rectangle net 5V: 77.287,66.186 78.03,68.351
  rectangle net 1.8V_RPI: 72.795,68.262 74.909,68.753
  rectangle net 3.3V_RPI: 71.644,67.349 74.911,67.97
  rectangle net 5V: 98.037,40.69 102.109,47.667
  rectangle net NetL2_1: 115.281,57.63 121.066,60.702
  rectangle net NetL1_1: 94.436,57.411 100.422,60.743
  rectangle net 12V: 110.494,68.46 116.697,74.037
  rectangle net 12V: 89.796,68.584 95.889,74.167
  region net 5V: 77.287,68.351 78.266,68.351 ccw(c78.911,68.996) 78.911,68.084 79.741,68.084 79.741,66.299 79.745,66.295 78.333,66.295 ccw(c78.333,65.817) 77.995,66.155 77.991,66.151
  region net 5V: 97.883,48.123 ccw(c97.883,48.95) 98.71,48.95 98.71,48.093 ccw(c98.784,48.093) 98.784,48.019
  region net 5V: 98.049,46.623 98.049,46.635 ccw(c97.522,46.635) 97.522,47.162 98.747,47.162 ccw(c98.747,47.18) 98.765,47.18 98.765,46.665
  region net 5V: 78.597,68.381 78.843,68.135 ccw(c79.734,69.026) 79.734,67.766 78.604,67.766 ccw(c78.604,67.694) 78.553,67.745
  region net 12V: 88.074,78.885 cw(c83.648,74.459) 89.908,74.459 90.495,76.697 ccw(c89.331,76.215) 89.813,77.378
  region net 3.3V: 122.995,55.453 cw(c122.157,55.453) 122.157,54.615 121.777,54.615 ccw(c121.777,52.24) 119.402,52.24 119.402,48.907 119.402,44.462 122.795,44.462 122.795,52.32 cw(c123.593,52.32) 123.593,53.118 124.072,53.118 ccw(c124.072,54.136) 125.09,54.136 125.09,56.431
  region net 5V: 102.298,55.301 cw(c101.46,55.301) 101.46,54.463 101.08,54.463 ccw(c101.08,52.088) 98.705,52.088 98.705,48.755 98.705,44.31 102.098,44.31 102.098,52.168 cw(c102.896,52.168) 102.896,52.966 103.375,52.966 ccw(c103.375,53.984) 104.393,53.984 104.393,56.279
  region net 12V: 116.697,74.037 116.697,75.661 ccw(c114.157,75.661) 114.157,78.201 113.449,78.201 cw(c113.449,78.095) 113.555,78.095 113.555,73.595
  region net 12V: 89.8,73.929 89.8,75.664 cw(c92.34,75.664) 92.34,78.204 94.885,78.204
  region net 12V: 89.796,74.167 93.089,77.46 cw(c94.885,75.664) 94.885,78.204 101.045,78.204 ccw(c101.045,80.744) 102.841,78.948 103.648,79.755 103.646,79.757 103.646,81.689 111.31,81.689 111.31,79.525 111.902,78.933 ccw(c113.698,80.729) 113.698,78.189 114.176,76.791 cw(c113.404,76.471) 114.176,76.15 114.663,75.552 cw(c115.505,74.932) 115.348,75.966 116.697,73.63 cw(c116.607,73.725) 116.619,73.595 110.491,73.595 ccw(c108.459,73.595) 108.459,75.627 97.541,75.627 ccw(c97.541,73.957) 95.871,73.957 cw(c95.843,73.957) 95.843,73.929 89.8,73.929
  region net 12V: 116.708,68.68 110.496,68.713 110.496,68.458 111.979,66.975 cw(c110.183,65.179) 112.723,65.179 112.723,64.053 114.586,64.053 ccw(c114.56,64.087) 114.603,64.088 114.603,65.314 cw(c117.143,65.314) 115.347,67.11 116.695,68.458
  region net 12V: 89.796,68.584 91.153,67.227 cw(c89.357,65.431) 91.897,65.431 91.897,64.124 93.763,64.124 93.769,64.13 93.769,65.914 cw(c95.097,65.914) 94.158,66.853 95.889,68.584 95.887,68.586 95.887,68.983 89.792,68.983
  region net 1.8V_RPI: 71.914,69.746 72.916,68.744 74.008,68.744 74.008,68.584 73.697,68.273 72.776,68.273 71.889,69.16
  region net 12V: 93.377,78.209 92.567,78.209 83.036,87.74 83.036,92.688 80.562,92.688 80.562,86.272 91.033,75.801

## Silkscreen, mask and mechanical layers (free items; w line width, h text height)
Top Overlay:
  drawing of 233 lines, arcs and shapes, not listed
  text "FAN" at 17.627,104.469 h1.5 r180
  text "5V       GND       GND      12V" at 97.807,104.458 h1.5 r180
  text "+ 12V INPUT -" at 110.254,104.458 h1.5 r180
  text "12V" at 118.646,104.462 h1.5 r180
  text "3.3V" at 123.851,104.462 h1.5 r180
  text "5V" at 120.665,104.456 h1.5 r180
  text "Layer" at 135.13,100.992 h1.52
  text "Name" at 143.975,100.992 h1.52
  text "Material" at 163.399,100.992 h1.52
  text "Thickness" at 180.226,100.992 h1.52
  text "Constant" at 193.359,100.992 h1.52
  text "RPI Connector" at 32.629,100.148 h1
  text "BT" at 58.121,100.07 h1
  text "WL" at 63.032,99.998 h1
  text "Top Overlay" at 143.975,97.944 h1.52
  text "Top Solder" at 143.975,94.896 h1.52
  text "Solder Resist" at 163.399,94.896 h1.52
  text "0.010mm" at 180.226,94.896 h1.52
  text "3.5" at 193.359,94.896 h1.52
  text "RPG" at 57.742,93.068 h1
  text "G-EN" at 62.717,93.03 h1
  text "G-EN" at 65.111,93.021 h1
  text "1" at 135.13,91.848 h1.52
  text "F.Cu" at 143.975,91.848 h1.52
  text "0.036mm" at 180.226,91.848 h1.52
  text "Dielectric 1" at 143.975,88.8 h1.52
  text "FR-4" at 163.399,88.8 h1.52
  text "0.320mm" at 180.226,88.8 h1.52
  text "4.8" at 193.359,88.8 h1.52
  text "Fit Jumper To Diable eMMC Boot" at 70.723,88.32 h1
  text "Fit Jumper To Diable Writing To EEPROM" at 68.709,87.074 h1
  text "2" at 135.13,85.752 h1.52
  text "In1.Cu" at 143.975,85.752 h1.52
  text "0.036mm" at 180.226,85.752 h1.52
  text "Dielectric  2" at 143.975,82.704 h1.52
  text "FR-4" at 163.399,82.704 h1.52
  text "0.320mm" at 180.226,82.704 h1.52
  text "4.8" at 193.359,82.704 h1.52
  text "3" at 135.13,79.656 h1.52
  text "In2.Cu" at 143.975,79.656 h1.52
  text "0.036mm" at 180.226,79.656 h1.52
  text "Dielectric 3" at 143.975,76.608 h1.52
  text "FR-4" at 163.399,76.608 h1.52
  text "0.320mm" at 180.226,76.608 h1.52
  text "4.8" at 193.359,76.608 h1.52
  text "4" at 135.13,73.56 h1.52
  text "B.Cu" at 143.975,73.56 h1.52
  text "0.036mm" at 180.226,73.56 h1.52
  text "12V" at 101.28,71.568 h1.5 r90
  text "3.3V" at 122.043,70.988 h1.5 r90
  text "Bottom Solder" at 143.975,70.512 h1.52
  text "Solder Resist" at 163.399,70.512 h1.52
  text "0.010mm" at 180.226,70.512 h1.52
  text "3.5" at 193.359,70.512 h1.52
  text "Fit For 1.8v GPIO" at 58.057,69.416 h1
  text "Bottom Overlay" at 143.975,67.464 h1.52
  text "GND" at 101.286,67.359 h1.5 r90
  text "Fit For 3.3v GPIO" at 58.082,67.236 h1
  text "Total board thickness:" at 135.13,64.416 h1.52
  text "1.123mm" at 180.226,64.416 h1.52
  text "5V" at 101.286,64.287 h1.5 r90
  text "Group" at 23.21,26.151 h1
  text "C1-TECH" at 11.135,26.103 h3
  text "CP Main Computer" at 11.275,22.742 h3
  text "Version 1.1" at 11.217,20.941 h1
  text "microSD" at 63.646,1.001 h1.5 r90
  text "USB" at 84.335,1.001 h1.5 r90
  text "USB" at 104.528,0.977 h1.5 r90
  text "HDMI 0" at 5.534,0.948 h1.5 r90
  text "HDMI 1" at 24.442,0.935 h1.5 r90
  text "ETHERNET" at 43.882,0.927 h1.5 r90